# Altium PCB LimeSDR-QPCIe_1v2.PcbDoc (part 10 of 21)
Units mm, origin at the board's own origin, x right, y up, seen from the top; angles counter-clockwise.
Board outline 190 x 111.15 mm, 14 copper layers (Top, L2, L3, L4, L5, L6, L7, L8, L9, L10, L11, L12, L13, Bottom), stack 1.907 mm thick; 2014 components, 1408 nets, 9111 pads, 4171 vias.
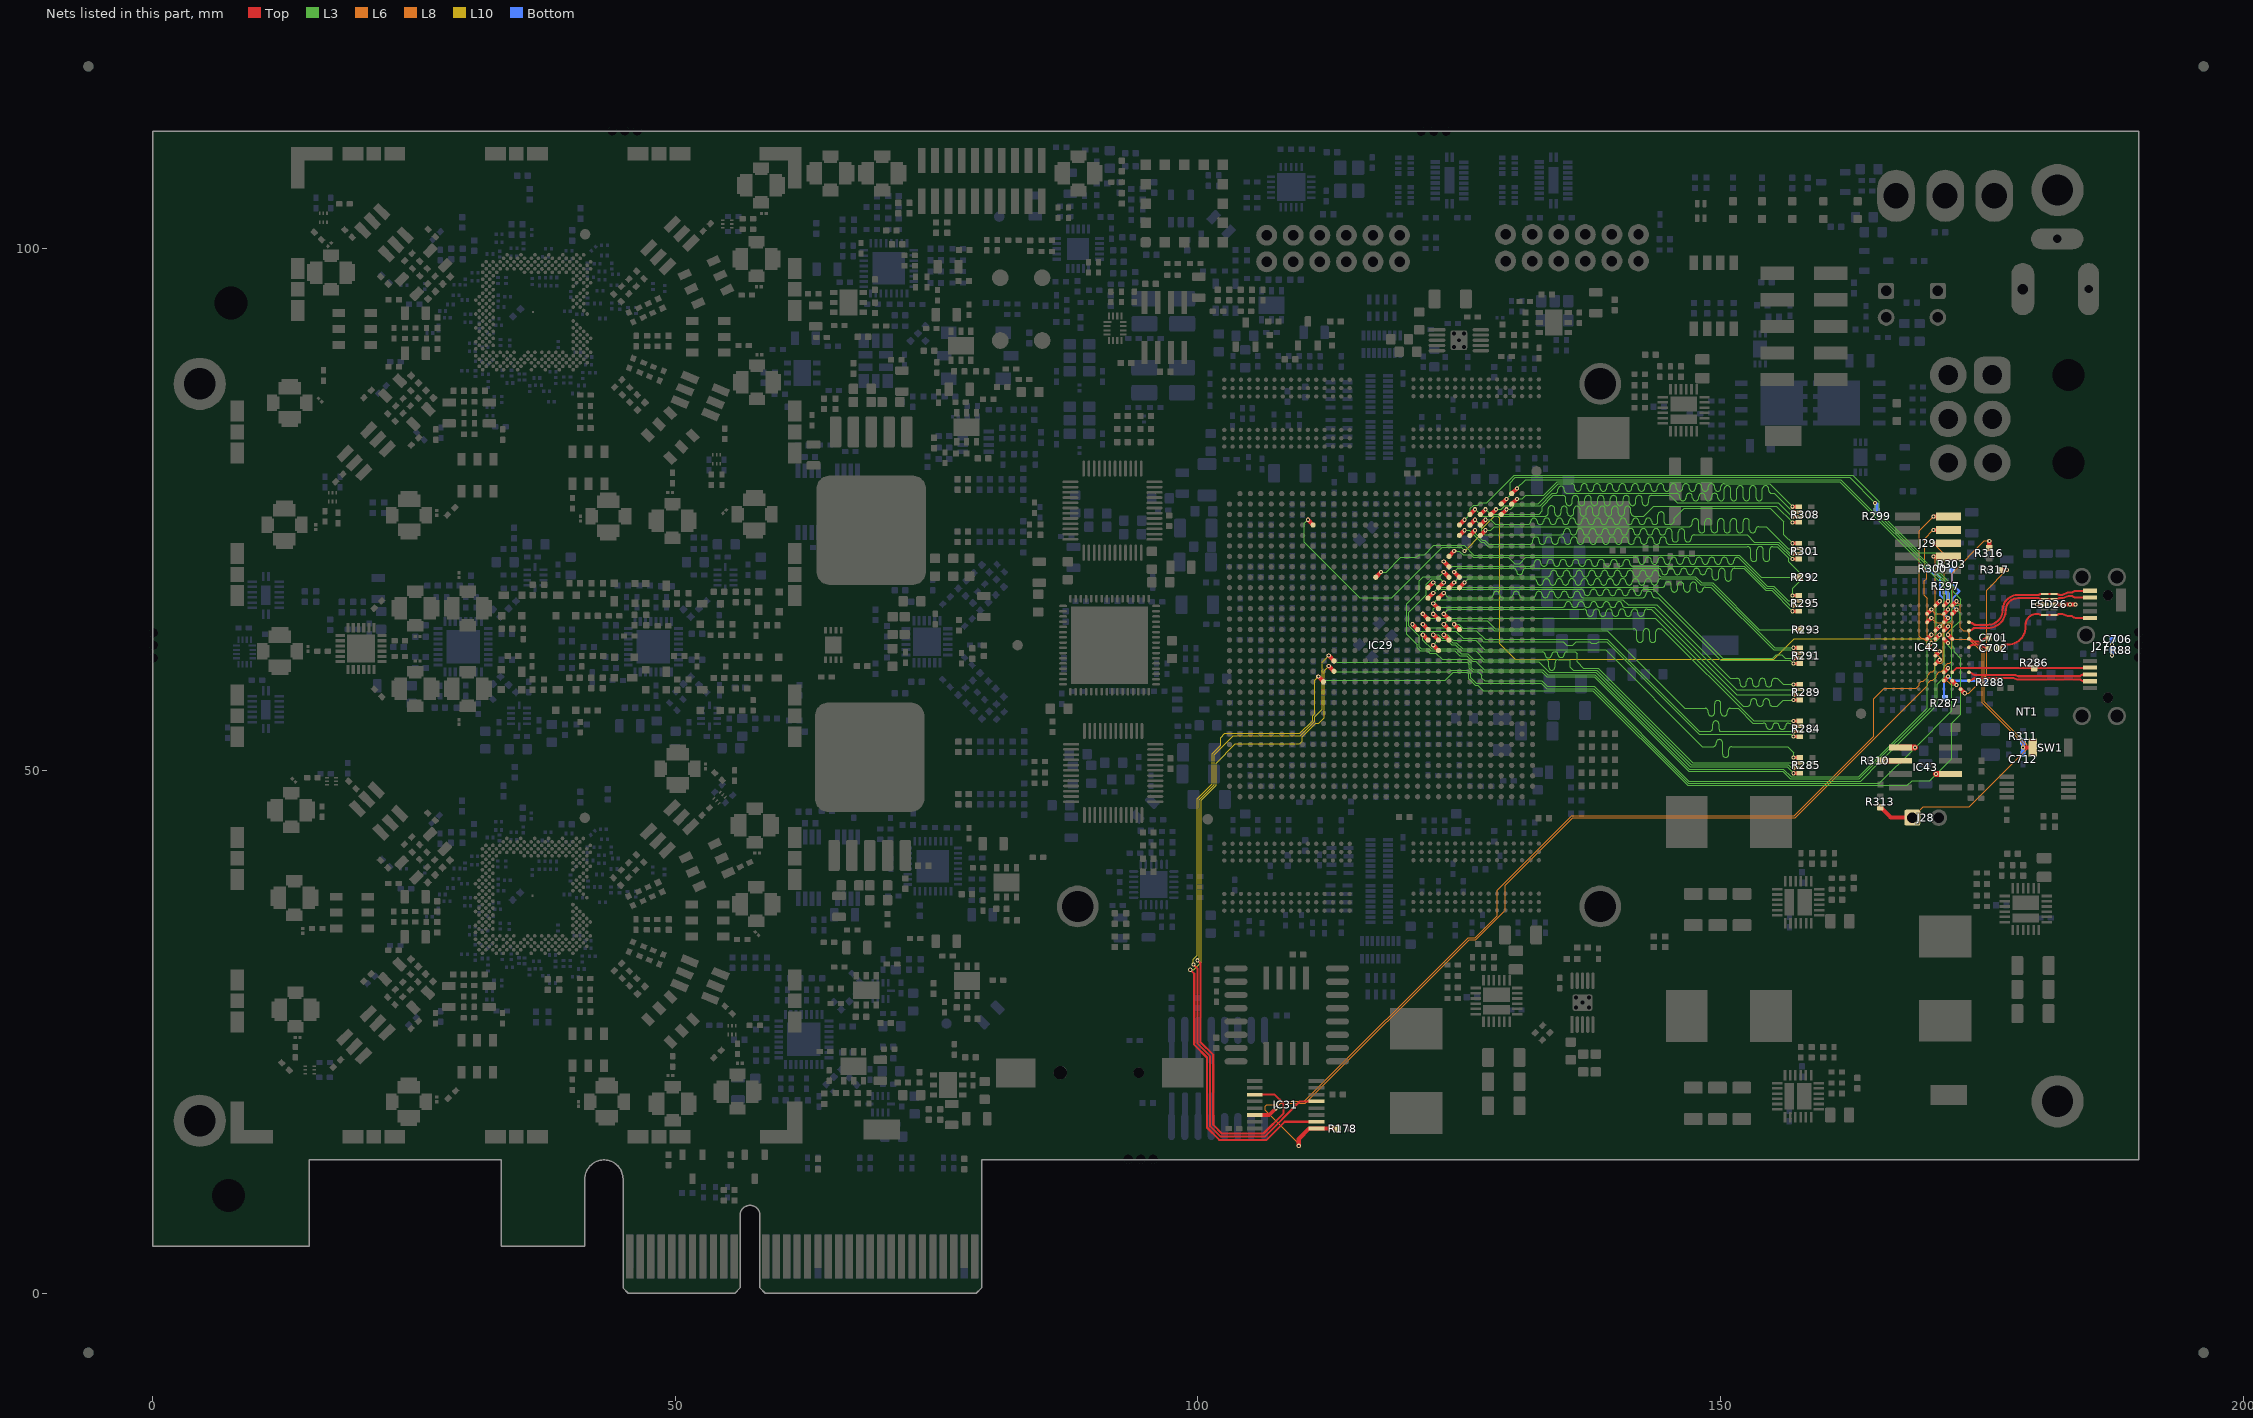
[diagram p22: the nets of this part, all layers, seen from the top]

## Via types
v1: diameter 0.4, hole 0.2, Top to Bottom, tented both sides, 3282 vias
v2: diameter 0.4, hole 0.2, Top to Bottom, tented top, 531 vias
v3: diameter 0.35, hole 0.2, Top to Bottom, tented top, 210 vias
v4: diameter 0.5, hole 0.2, Top to Bottom, tented both sides, 99 vias
v5: diameter 0.5, hole 0.2, Top to Bottom, tented bottom, 49 vias

## Nets (pads, with @x,y where several pads share a name; then routed paths per layer and width w, separated by ;. In a path a pad name is that pad's centre, name@x,y a point inside that pad or via, vN(x,y) a via of type N, cw(c..) or ccw(c..) an arc to the next point about the centre after c; other vN are vias at no path point) (continued)
FX3_AS_SW: IC31.1 IC42.F3 R178.1 | length 102.5
  Top w0.4: v1(109.65,14.1) 109.65,14.75 110.65,15.75 IC31.1@111.35,15.75 ; IC31.1@112.025,15.75 IC31.1@111.35,15.75 ; R178.1@113.375,15.75 IC31.1@111.35,15.75 ; IC42.F3@169.775,64.2 v2(170.175,64.6)
  L8 w0.1: v1(109.65,14.1) 109.65,14.28 106.425,17.505 106.425,17.875 106.6,18.05 107.542,18.05 107.842,18.35 110.192,18.35 125.867,34.025 126.525,34.025 128.625,36.125 128.625,38.53 135.77,45.675 157.062,45.675 164.65,53.263 164.65,56.875 165.65,57.875 168.745,57.875 169.025,58.155 169.025,58.345 169.23,58.55 169.42,58.55 169.825,58.955 169.825,59.145 170.13,59.45 170.32,59.45 170.525,59.655 170.525,59.975 170.8,60.25 171.12,60.25 171.325,60.455 171.325,63.945 171.12,64.15 170.625,64.15 v2(170.175,64.6)
FX3_CTL0: IC29.AA9 R293.2 | length 42.4
  Top w0.3: v1(157.1,63.5) R293.2@157.7,63.5
  Top w0.4: IC29.AA9@124.025,67.5 v2(124.525,68)
  L3 w0.1: v2(124.525,68) 125.075,68.55 132.725,68.55 133.144,68.55 133.456,68.55 ccw(c133.456,68.846) 133.752,68.846 cw(c134.056,68.846) 134.056,69.15 cw(c134.056,68.846) 134.36,68.846 ccw(c134.656,68.846) 134.656,68.55 134.672,68.55 ccw(c134.672,68.846) 134.968,68.846 cw(c135.272,68.846) 135.272,69.15 cw(c135.272,68.846) 135.576,68.846 ccw(c135.872,68.846) 135.872,68.55 135.888,68.55 ccw(c135.888,68.846) 136.184,68.846 cw(c136.488,68.846) 136.488,69.15 cw(c136.488,68.846) 136.792,68.846 ccw(c137.088,68.846) 137.088,68.55 137.104,68.55 ccw(c137.104,68.846) 137.4,68.846 cw(c137.704,68.846) 137.704,69.15 cw(c137.704,68.846) 138.008,68.846 ccw(c138.304,68.846) 138.304,68.55 138.32,68.55 ccw(c138.32,68.846) 138.616,68.846 cw(c138.92,68.846) 138.92,69.15 cw(c138.92,68.846) 139.224,68.846 ccw(c139.52,68.846) 139.52,68.55 139.536,68.55 ccw(c139.536,68.846) 139.832,68.846 cw(c140.136,68.846) 140.136,69.15 cw(c140.136,68.846) 140.44,68.846 ccw(c140.736,68.846) 140.736,68.55 140.752,68.55 ccw(c140.752,68.846) 141.048,68.846 cw(c141.352,68.846) 141.352,69.15 cw(c141.352,68.846) 141.656,68.846 ccw(c141.952,68.846) 141.952,68.55 141.968,68.55 ccw(c141.968,68.846) 142.264,68.846 cw(c142.568,68.846) 142.568,69.15 cw(c142.568,68.846) 142.872,68.846 ccw(c143.168,68.846) 143.168,68.55 143.184,68.55 ccw(c143.184,68.846) 143.48,68.846 cw(c143.784,68.846) 143.784,69.15 cw(c143.784,68.846) 144.088,68.846 ccw(c144.384,68.846) 144.384,68.55 144.696,68.55 145,68.55 147.608,68.55 148.191,67.966 149.241,67.966 153.708,63.5 v1(157.1,63.5)
FX3_CTL1: IC29.AB8 R295.2 | length 42.6
  Top w0.3: v1(156.9,65.25) R295.2@157.5,65.25
  Top w0.4: v2(124.525,69) IC29.AB8@125.025,68.5
  L3 w0.1: v2(124.525,69) 124.875,69.35 129.575,69.35 129.879,69.35 130.191,69.35 cw(c130.191,69.054) 130.487,69.054 ccw(c130.791,69.054) 130.791,68.75 ccw(c130.791,69.054) 131.095,69.054 cw(c131.391,69.054) 131.391,69.35 131.703,69.35 132.125,69.35 143.45,69.35 143.754,69.35 144.066,69.35 cw(c144.066,69.054) 144.362,69.054 ccw(c144.666,69.054) 144.666,68.75 ccw(c144.666,69.054) 144.97,69.054 cw(c145.266,69.054) 145.266,69.35 145.282,69.35 cw(c145.282,69.054) 145.578,69.054 ccw(c145.882,69.054) 145.882,68.75 ccw(c145.882,69.054) 146.186,69.054 cw(c146.482,69.054) 146.482,69.35 146.498,69.35 cw(c146.498,69.054) 146.794,69.054 ccw(c147.098,69.054) 147.098,68.75 ccw(c147.098,69.054) 147.402,69.054 cw(c147.698,69.054) 147.698,69.35 147.714,69.35 cw(c147.714,69.054) 148.01,69.054 ccw(c148.314,69.054) 148.314,68.75 ccw(c148.314,69.054) 148.618,69.054 cw(c148.914,69.054) 148.914,69.35 148.922,69.35 cw(c148.922,69.046) 149.226,69.046 149.226,68.538 ccw(c149.53,68.538) 149.53,68.234 ccw(c149.53,68.538) 149.834,68.538 149.834,69.046 cw(c150.138,69.046) 150.138,69.35 cw(c150.138,69.046) 150.442,69.046 150.442,68.44 ccw(c150.746,68.44) 150.746,68.136 ccw(c150.746,68.44) 151.05,68.44 151.05,69.046 cw(c151.354,69.046) 151.354,69.35 151.792,69.35 152.209,69.35 154.322,67.238 154.905,67.238 156.892,65.25 v1(156.9,65.25)
FX3_CTL2: IC29.AC9 R295.4 | length 42.6
  Top w0.3: v1(156.9,65.75) R295.4@157.5,65.75
  Top w0.4: v2(123.525,70) IC29.AC9@124.025,69.5
  L3 w0.1: v2(123.525,70) 123.975,69.55 131.9,69.55 ccw(c131.9,69.854) 132.204,69.854 132.204,69.89 cw(c132.508,69.89) 132.508,70.194 cw(c132.508,69.89) 132.812,69.89 132.812,69.854 ccw(c133.116,69.854) 133.116,69.55 ccw(c133.116,69.854) 133.42,69.854 133.42,69.89 cw(c133.724,69.89) 133.724,70.194 cw(c133.724,69.89) 134.028,69.89 134.028,69.854 ccw(c134.332,69.854) 134.332,69.55 ccw(c134.332,69.854) 134.636,69.854 134.636,69.89 cw(c134.94,69.89) 134.94,70.194 cw(c134.94,69.89) 135.244,69.89 135.244,69.854 ccw(c135.548,69.854) 135.548,69.55 ccw(c135.548,69.854) 135.852,69.854 135.852,69.89 cw(c136.156,69.89) 136.156,70.194 cw(c136.156,69.89) 136.46,69.89 136.46,69.854 ccw(c136.764,69.854) 136.764,69.55 ccw(c136.764,69.854) 137.068,69.854 137.068,69.89 cw(c137.372,69.89) 137.372,70.194 cw(c137.372,69.89) 137.676,69.89 137.676,69.854 ccw(c137.98,69.854) 137.98,69.55 ccw(c137.98,69.854) 138.284,69.854 138.284,69.89 cw(c138.588,69.89) 138.588,70.194 cw(c138.588,69.89) 138.892,69.89 138.892,69.854 ccw(c139.196,69.854) 139.196,69.55 ccw(c139.196,69.854) 139.5,69.854 139.5,69.89 cw(c139.804,69.89) 139.804,70.194 cw(c139.804,69.89) 140.108,69.89 140.108,69.854 ccw(c140.412,69.854) 140.412,69.55 ccw(c140.412,69.854) 140.716,69.854 140.716,69.89 cw(c141.02,69.89) 141.02,70.194 cw(c141.02,69.89) 141.324,69.89 141.324,69.854 ccw(c141.628,69.854) 141.628,69.55 142.675,69.55 152.292,69.55 154.405,67.438 154.987,67.438 156.675,65.75 v1(156.9,65.75)
FX3_CTL3: IC29.AD9 R295.6 | length 42.4
  Top w0.3: v1(156.9,66.25) R295.6@157.5,66.25
  Top w0.4: IC29.AD9@124.025,70.5 v2(124.525,71)
  L3 w0.1: v2(124.525,71) 125.03,71 125.38,70.65 126.097,70.65 126.347,70.4 129.7,70.4 130.3,69.8 130.775,69.8 131.375,70.4 140.975,70.4 141.872,70.4 cw(c141.872,70.096) 142.176,70.096 142.176,70.054 ccw(c142.48,70.054) 142.48,69.75 ccw(c142.48,70.054) 142.784,70.054 142.784,70.096 cw(c143.088,70.096) 143.088,70.4 cw(c143.088,70.096) 143.392,70.096 143.392,70.054 ccw(c143.696,70.054) 143.696,69.75 ccw(c143.696,70.054) 144,70.054 144,70.096 cw(c144.304,70.096) 144.304,70.4 cw(c144.304,70.096) 144.608,70.096 144.608,70.054 ccw(c144.912,70.054) 144.912,69.75 ccw(c144.912,70.054) 145.216,70.054 145.216,70.096 cw(c145.52,70.096) 145.52,70.4 cw(c145.52,70.096) 145.824,70.096 145.824,70.054 ccw(c146.128,70.054) 146.128,69.75 ccw(c146.128,70.054) 146.432,70.054 146.432,70.096 cw(c146.736,70.096) 146.736,70.4 cw(c146.736,70.096) 147.04,70.096 147.04,70.054 ccw(c147.344,70.054) 147.344,69.75 ccw(c147.344,70.054) 147.648,70.054 147.648,70.096 cw(c147.952,70.096) 147.952,70.4 cw(c147.952,70.096) 148.256,70.096 148.256,70.054 ccw(c148.56,70.054) 148.56,69.75 ccw(c148.56,70.054) 148.864,70.054 148.864,70.096 cw(c149.168,70.096) 149.168,70.4 cw(c149.168,70.096) 149.472,70.096 149.472,70.054 ccw(c149.776,70.054) 149.776,69.75 ccw(c149.776,70.054) 150.08,70.054 150.08,70.096 cw(c150.384,70.096) 150.384,70.4 cw(c150.384,70.096) 150.688,70.096 150.688,70.054 ccw(c150.992,70.054) 150.992,69.75 ccw(c150.992,70.054) 151.296,70.054 151.296,70.096 cw(c151.6,70.096) 151.6,70.4 151.725,70.4 154.487,67.638 155.087,67.638 156.475,66.25 v1(156.9,66.25)
FX3_CTL4: IC29.AF8 R295.8 | length 42.5
  Top w0.3: v1(156.9,66.75) R295.8@157.5,66.75
  Top w0.4: IC29.AF8@125.025,72.5 v2(125.525,73)
  L3 w0.1: v2(125.525,73) 125.975,73 127.119,71.856 127.361,71.856 127.784,71.434 151.975,71.434 152.279,71.434 152.583,71.434 cw(c152.583,71.13) 152.887,71.13 152.887,70.312 ccw(c153.191,70.312) 153.191,70.008 ccw(c153.191,70.312) 153.495,70.312 153.495,71.13 cw(c153.799,71.13) 153.799,71.434 cw(c153.799,71.13) 154.103,71.13 154.103,70.312 ccw(c154.407,70.312) 154.407,70.008 ccw(c154.407,70.312) 154.711,70.312 154.711,71.13 cw(c155.015,71.13) 155.015,71.434 155.434,71.434 156.05,70.817 156.53,70.338 156.53,70 157.725,68.805 157.725,68.25 156.9,67.425 v1(156.9,66.75)
FX3_CTL5: IC29.AF7 R301.2 | length 42.6
  Top w0.3: v1(156.9,70.25) R301.2@157.5,70.25
  Top w0.4: IC29.AF7@126.025,72.5 v2(126.525,73)
  L3 w0.1: v2(126.525,73) 126.525,72.733 127.202,72.056 127.444,72.056 127.85,71.65 131.175,71.65 131.437,71.65 131.741,71.65 ccw(c131.741,71.954) 132.045,71.954 132.045,72.046 cw(c132.349,72.046) 132.349,72.35 cw(c132.349,72.046) 132.653,72.046 132.653,71.954 ccw(c132.957,71.954) 132.957,71.65 ccw(c132.957,71.954) 133.261,71.954 133.261,72.046 cw(c133.565,72.046) 133.565,72.35 cw(c133.565,72.046) 133.869,72.046 133.869,71.954 ccw(c134.173,71.954) 134.173,71.65 ccw(c134.173,71.954) 134.477,71.954 134.477,72.046 cw(c134.781,72.046) 134.781,72.35 cw(c134.781,72.046) 135.085,72.046 135.085,71.954 ccw(c135.389,71.954) 135.389,71.65 ccw(c135.389,71.954) 135.693,71.954 135.693,72.046 cw(c135.997,72.046) 135.997,72.35 cw(c135.997,72.046) 136.301,72.046 136.301,71.954 ccw(c136.605,71.954) 136.605,71.65 ccw(c136.605,71.954) 136.909,71.954 136.909,72.046 cw(c137.213,72.046) 137.213,72.35 cw(c137.213,72.046) 137.517,72.046 137.517,71.954 ccw(c137.821,71.954) 137.821,71.65 ccw(c137.821,71.954) 138.125,71.954 138.125,72.046 cw(c138.429,72.046) 138.429,72.35 cw(c138.429,72.046) 138.733,72.046 138.733,71.954 ccw(c139.037,71.954) 139.037,71.65 ccw(c139.037,71.954) 139.341,71.954 139.341,72.046 cw(c139.645,72.046) 139.645,72.35 cw(c139.645,72.046) 139.949,72.046 139.949,71.954 ccw(c140.253,71.954) 140.253,71.65 ccw(c140.253,71.954) 140.557,71.954 140.557,72.046 cw(c140.861,72.046) 140.861,72.35 cw(c140.861,72.046) 141.165,72.046 141.165,71.954 ccw(c141.469,71.954) 141.469,71.65 ccw(c141.469,71.954) 141.773,71.954 141.773,72.046 cw(c142.077,72.046) 142.077,72.35 cw(c142.077,72.046) 142.381,72.046 142.381,71.954 ccw(c142.685,71.954) 142.685,71.65 ccw(c142.685,71.954) 142.989,71.954 142.989,72.046 cw(c143.293,72.046) 143.293,72.35 cw(c143.293,72.046) 143.597,72.046 143.597,71.954 ccw(c143.901,71.954) 143.901,71.65 ccw(c143.901,71.954) 144.205,71.954 144.205,72.046 cw(c144.509,72.046) 144.509,72.35 cw(c144.509,72.046) 144.813,72.046 144.813,71.954 ccw(c145.117,71.954) 145.117,71.65 145.421,71.65 145.725,71.65 155.5,71.65 v1(156.9,70.25)
FX3_CTL6: IC29.AG7 R301.4 | length 42.6
  Top w0.3: v1(156.9,70.75) R301.4@157.5,70.75
  Top w0.4: IC29.AG7@126.025,73.5 v2(126.525,74)
  L3 w0.1: v2(126.525,74) 127.175,73.35 127.175,72.845 127.47,72.55 134.725,72.55 134.733,72.55 ccw(c134.733,72.846) 135.029,72.846 cw(c135.333,72.846) 135.333,73.15 cw(c135.333,72.846) 135.637,72.846 ccw(c135.933,72.846) 135.933,72.55 135.949,72.55 ccw(c135.949,72.846) 136.245,72.846 cw(c136.549,72.846) 136.549,73.15 cw(c136.549,72.846) 136.853,72.846 ccw(c137.149,72.846) 137.149,72.55 137.165,72.55 ccw(c137.165,72.846) 137.461,72.846 cw(c137.765,72.846) 137.765,73.15 cw(c137.765,72.846) 138.069,72.846 ccw(c138.365,72.846) 138.365,72.55 138.381,72.55 ccw(c138.381,72.846) 138.677,72.846 cw(c138.981,72.846) 138.981,73.15 cw(c138.981,72.846) 139.285,72.846 ccw(c139.581,72.846) 139.581,72.55 139.597,72.55 ccw(c139.597,72.846) 139.893,72.846 cw(c140.197,72.846) 140.197,73.15 cw(c140.197,72.846) 140.501,72.846 ccw(c140.797,72.846) 140.797,72.55 140.813,72.55 ccw(c140.813,72.846) 141.109,72.846 cw(c141.413,72.846) 141.413,73.15 cw(c141.413,72.846) 141.717,72.846 ccw(c142.013,72.846) 142.013,72.55 142.029,72.55 ccw(c142.029,72.846) 142.325,72.846 cw(c142.629,72.846) 142.629,73.15 cw(c142.629,72.846) 142.933,72.846 ccw(c143.229,72.846) 143.229,72.55 143.245,72.55 ccw(c143.245,72.846) 143.541,72.846 cw(c143.845,72.846) 143.845,73.15 cw(c143.845,72.846) 144.149,72.846 ccw(c144.445,72.846) 144.445,72.55 144.461,72.55 ccw(c144.461,72.846) 144.757,72.846 cw(c145.061,72.846) 145.061,73.15 cw(c145.061,72.846) 145.365,72.846 145.365,72.55 145.365,72.177 ccw(c145.669,72.177) 145.669,71.873 ccw(c145.669,72.177) 145.973,72.177 145.973,72.55 145.973,72.823 cw(c146.277,72.823) 146.277,73.127 cw(c146.277,72.823) 146.581,72.823 146.581,72.55 146.581,72.177 ccw(c146.885,72.177) 146.885,71.873 ccw(c146.885,72.177) 147.189,72.177 147.189,72.246 cw(c147.493,72.246) 147.493,72.55 148.6,72.55 152.55,72.55 153.25,71.85 155.583,71.85 156.683,70.75 v1(156.9,70.75)
FX3_CTL7: IC29.AF6 R301.6 | length 42.5
  Top w0.3: v1(156.9,71.25) R301.6@157.5,71.25
  Top w0.4: IC29.AF6@127.025,72.5 v2(127.525,73)
  L3 w0.1: v2(127.525,73) 128,73 128.35,73.35 147,73.35 ccw(c147,73.654) 147.304,73.654 147.304,73.808 cw(c147.608,73.808) 147.608,74.112 cw(c147.608,73.808) 147.912,73.808 147.912,73.35 147.912,73.054 ccw(c148.216,73.054) 148.216,72.75 ccw(c148.216,73.054) 148.52,73.054 148.52,73.35 148.52,73.808 cw(c148.824,73.808) 148.824,74.112 cw(c148.824,73.808) 149.128,73.808 149.128,73.35 149.128,73.054 ccw(c149.432,73.054) 149.432,72.75 ccw(c149.432,73.054) 149.736,73.054 149.736,73.35 149.736,73.808 cw(c150.04,73.808) 150.04,74.112 cw(c150.04,73.808) 150.344,73.808 150.344,73.35 150.344,73.054 ccw(c150.648,73.054) 150.648,72.75 ccw(c150.648,73.054) 150.952,73.054 150.952,73.35 150.952,73.808 cw(c151.256,73.808) 151.256,74.112 cw(c151.256,73.808) 151.56,73.808 151.56,73.35 151.56,73.054 ccw(c151.864,73.054) 151.864,72.75 ccw(c151.864,73.054) 152.168,73.054 152.168,73.35 152.168,73.808 cw(c152.472,73.808) 152.472,74.112 cw(c152.472,73.808) 152.776,73.808 152.776,73.35 152.776,73.054 ccw(c153.08,73.054) 153.08,72.75 ccw(c153.08,73.054) 153.384,73.054 cw(c153.68,73.054) 153.68,73.35 154.25,73.35 154.366,73.35 156.466,71.25 v1(156.9,71.25)
FX3_CTL8: IC29.AG6 R301.8 | length 42.6
  Top w0.3: v1(156.9,71.75) R301.8@157.5,71.75
  Top w0.4: IC29.AG6@127.025,73.5 v2(127.525,74)
  L3 w0.1: v2(127.525,74) 128,74 128.45,73.55 131.55,73.55 131.568,73.55 ccw(c131.568,73.836) 131.854,73.836 cw(c132.158,73.836) 132.158,74.14 cw(c132.158,73.836) 132.462,73.836 ccw(c132.748,73.836) 132.748,73.55 132.766,73.55 ccw(c132.766,73.854) 133.07,73.854 cw(c133.374,73.854) 133.374,74.158 cw(c133.374,73.854) 133.678,73.854 ccw(c133.982,73.854) 133.982,73.55 ccw(c133.982,73.854) 134.286,73.854 cw(c134.59,73.854) 134.59,74.158 cw(c134.59,73.854) 134.894,73.854 ccw(c135.198,73.854) 135.198,73.55 ccw(c135.198,73.854) 135.502,73.854 cw(c135.806,73.854) 135.806,74.158 cw(c135.806,73.854) 136.11,73.854 ccw(c136.414,73.854) 136.414,73.55 ccw(c136.414,73.854) 136.718,73.854 cw(c137.022,73.854) 137.022,74.158 cw(c137.022,73.854) 137.326,73.854 ccw(c137.63,73.854) 137.63,73.55 ccw(c137.63,73.854) 137.934,73.854 cw(c138.238,73.854) 138.238,74.158 cw(c138.238,73.854) 138.542,73.854 ccw(c138.846,73.854) 138.846,73.55 ccw(c138.846,73.854) 139.15,73.854 cw(c139.454,73.854) 139.454,74.158 cw(c139.454,73.854) 139.758,73.854 ccw(c140.062,73.854) 140.062,73.55 ccw(c140.062,73.854) 140.366,73.854 cw(c140.67,73.854) 140.67,74.158 cw(c140.67,73.854) 140.974,73.854 ccw(c141.278,73.854) 141.278,73.55 141.286,73.55 ccw(c141.286,73.846) 141.582,73.846 cw(c141.886,73.846) 141.886,74.15 cw(c141.886,73.846) 142.19,73.846 ccw(c142.486,73.846) 142.486,73.55 142.494,73.55 ccw(c142.494,73.854) 142.798,73.854 cw(c143.102,73.854) 143.102,74.158 cw(c143.102,73.854) 143.406,73.854 ccw(c143.71,73.854) 143.71,73.55 ccw(c143.71,73.854) 144.014,73.854 144.014,74.445 cw(c144.318,74.445) 144.318,74.749 cw(c144.318,74.445) 144.622,74.445 144.622,73.778 ccw(c144.85,73.778) 144.85,73.55 145.35,73.55 145.6,73.8 145.6,74.15 146.55,75.1 154.77,75.1 156.075,73.795 156.075,72.575 v1(156.9,71.75)
FX3_CTL9: IC29.AH7 R308.2 | length 42.6
  Top w0.3: v1(156.9,73.75) R308.2@157.5,73.75
  Top w0.4: IC29.AH7@126.025,74.5 v2(126.525,75)
  L3 w0.1: v2(126.525,75) 127.175,74.35 133.225,74.35 ccw(c133.225,74.654) 133.529,74.654 133.529,75.04 cw(c133.833,75.04) 133.833,75.344 cw(c133.833,75.04) 134.137,75.04 134.137,74.654 ccw(c134.441,74.654) 134.441,74.35 ccw(c134.441,74.654) 134.745,74.654 134.745,74.983 cw(c135.049,74.983) 135.049,75.287 cw(c135.049,74.983) 135.353,74.983 135.353,74.654 ccw(c135.657,74.654) 135.657,74.35 ccw(c135.657,74.654) 135.961,74.654 135.961,74.983 cw(c136.265,74.983) 136.265,75.287 cw(c136.265,74.983) 136.569,74.983 136.569,74.654 ccw(c136.873,74.654) 136.873,74.35 ccw(c136.873,74.654) 137.177,74.654 137.177,74.983 cw(c137.481,74.983) 137.481,75.287 cw(c137.481,74.983) 137.785,74.983 137.785,74.654 ccw(c138.089,74.654) 138.089,74.35 ccw(c138.089,74.654) 138.393,74.654 138.393,74.983 cw(c138.697,74.983) 138.697,75.287 cw(c138.697,74.983) 139.001,74.983 139.001,74.654 ccw(c139.305,74.654) 139.305,74.35 ccw(c139.305,74.654) 139.609,74.654 139.609,74.983 cw(c139.913,74.983) 139.913,75.287 cw(c139.913,74.983) 140.217,74.983 140.217,74.654 ccw(c140.521,74.654) 140.521,74.35 ccw(c140.521,74.654) 140.825,74.654 140.825,74.983 cw(c141.129,74.983) 141.129,75.287 cw(c141.129,74.983) 141.433,74.983 141.433,74.654 ccw(c141.737,74.654) 141.737,74.35 142.675,74.35 143.625,75.3 155.35,75.3 v1(156.9,73.75)
FX3_CTL10: IC29.AH6 R308.4 | length 42.6
  Top w0.3: v1(156.9,74.25) R308.4@157.5,74.25
  Top w0.4: IC29.AH6@127.025,74.5 v2(127.525,75)
  L3 w0.1: v2(127.525,75) 127.975,74.55 132.65,74.55 132.95,74.85 132.95,75.267 134.008,76.325 134.3,76.325 134.604,76.325 134.908,76.325 cw(c134.908,76.021) 135.212,76.021 135.212,75.664 ccw(c135.516,75.664) 135.516,75.36 ccw(c135.516,75.664) 135.82,75.664 135.82,76.021 cw(c136.124,76.021) 136.124,76.325 cw(c136.124,76.021) 136.428,76.021 136.428,75.664 ccw(c136.732,75.664) 136.732,75.36 ccw(c136.732,75.664) 137.036,75.664 137.036,76.021 cw(c137.34,76.021) 137.34,76.325 cw(c137.34,76.021) 137.644,76.021 137.644,75.664 ccw(c137.948,75.664) 137.948,75.36 ccw(c137.948,75.664) 138.252,75.664 138.252,76.021 cw(c138.556,76.021) 138.556,76.325 cw(c138.556,76.021) 138.86,76.021 138.86,75.664 ccw(c139.164,75.664) 139.164,75.36 ccw(c139.164,75.664) 139.468,75.664 139.468,76.021 cw(c139.772,76.021) 139.772,76.325 cw(c139.772,76.021) 140.076,76.021 140.076,75.664 ccw(c140.38,75.664) 140.38,75.36 ccw(c140.38,75.664) 140.684,75.664 140.684,76.021 cw(c140.988,76.021) 140.988,76.325 cw(c140.988,76.021) 141.292,76.021 141.292,75.664 ccw(c141.596,75.664) 141.596,75.36 ccw(c141.596,75.664) 141.9,75.664 141.9,76.021 cw(c142.204,76.021) 142.204,76.325 cw(c142.204,76.021) 142.508,76.021 142.508,75.664 ccw(c142.812,75.664) 142.812,75.36 ccw(c142.812,75.664) 143.116,75.664 143.116,76.021 cw(c143.42,76.021) 143.42,76.325 145.15,76.325 145.85,75.625 155.525,75.625 v1(156.9,74.25)
FX3_CTL11: IC29.AH4 R308.6 | length 42.6
  Top w0.3: v1(156.9,74.75) R308.6@157.5,74.75
  Top w0.4: IC29.AH4@129.025,74.5 v2(129.525,75)
  L3 w0.1: v2(129.525,75) 129.925,75 130.275,75.35 132.75,75.35 133.925,76.525 134.15,76.525 ccw(c134.15,76.829) 134.454,76.829 134.454,76.897 cw(c134.758,76.897) 134.758,77.201 cw(c134.758,76.897) 135.062,76.897 135.062,76.829 ccw(c135.366,76.829) 135.366,76.525 135.75,76.525 144.925,76.525 145.501,76.525 145.805,76.525 cw(c145.805,76.221) 146.109,76.221 146.109,76.129 ccw(c146.413,76.129) 146.413,75.825 ccw(c146.413,76.129) 146.717,76.129 146.717,76.221 cw(c147.021,76.221) 147.021,76.525 cw(c147.021,76.221) 147.325,76.221 147.325,76.129 ccw(c147.629,76.129) 147.629,75.825 ccw(c147.629,76.129) 147.933,76.129 147.933,76.221 cw(c148.237,76.221) 148.237,76.525 cw(c148.237,76.221) 148.541,76.221 148.541,76.129 ccw(c148.845,76.129) 148.845,75.825 ccw(c148.845,76.129) 149.149,76.129 149.149,76.221 cw(c149.453,76.221) 149.453,76.525 cw(c149.453,76.221) 149.757,76.221 149.757,76.129 ccw(c150.061,76.129) 150.061,75.825 ccw(c150.061,76.129) 150.365,76.129 150.365,76.525 150.365,76.946 cw(c150.669,76.946) 150.669,77.25 cw(c150.669,76.946) 150.973,76.946 150.973,76.525 150.973,76.129 ccw(c151.277,76.129) 151.277,75.825 ccw(c151.277,76.129) 151.581,76.129 151.581,76.525 151.581,76.946 cw(c151.885,76.946) 151.885,77.25 cw(c151.885,76.946) 152.189,76.946 152.189,76.525 152.189,76.129 ccw(c152.493,76.129) 152.493,75.825 ccw(c152.493,76.129) 152.797,76.129 152.797,76.525 152.797,76.946 cw(c153.101,76.946) 153.101,77.25 cw(c153.101,76.946) 153.405,76.946 153.405,76.525 153.405,76.129 ccw(c153.709,76.129) 153.709,75.825 ccw(c153.709,76.129) 154.013,76.129 154.013,76.525 154.013,76.946 cw(c154.317,76.946) 154.317,77.25 cw(c154.317,76.946) 154.621,76.946 154.621,76.829 ccw(c154.925,76.829) 154.925,76.525 155.125,76.525 v1(156.9,74.75)
FX3_CTL12: IC29.AH5 R308.8 | length 42.6
  Top w0.3: v1(156.9,75.25) R308.8@157.5,75.25
  Top w0.4: IC29.AH5@128.025,74.5 v2(128.525,75)
  L3 w0.1: v2(128.525,75) 129.03,75 129.38,75.35 129.9,75.35 130.1,75.55 132.57,75.55 134.47,77.45 135.15,77.45 135.454,77.45 135.758,77.45 cw(c135.758,77.146) 136.062,77.146 136.062,77.036 ccw(c136.366,77.036) 136.366,76.732 ccw(c136.366,77.036) 136.67,77.036 136.67,77.146 cw(c136.974,77.146) 136.974,77.45 cw(c136.974,77.146) 137.278,77.146 137.278,77.036 ccw(c137.582,77.036) 137.582,76.732 ccw(c137.582,77.036) 137.886,77.036 137.886,77.146 cw(c138.19,77.146) 138.19,77.45 cw(c138.19,77.146) 138.494,77.146 138.494,77.036 ccw(c138.798,77.036) 138.798,76.732 ccw(c138.798,77.036) 139.102,77.036 139.102,77.146 cw(c139.406,77.146) 139.406,77.45 cw(c139.406,77.146) 139.71,77.146 139.71,77.036 ccw(c140.014,77.036) 140.014,76.732 ccw(c140.014,77.036) 140.318,77.036 140.318,77.146 cw(c140.622,77.146) 140.622,77.45 cw(c140.622,77.146) 140.926,77.146 140.926,77.036 ccw(c141.23,77.036) 141.23,76.732 ccw(c141.23,77.036) 141.534,77.036 141.534,77.146 cw(c141.838,77.146) 141.838,77.45 cw(c141.838,77.146) 142.142,77.146 142.142,77.036 ccw(c142.446,77.036) 142.446,76.732 ccw(c142.446,77.036) 142.75,77.036 142.75,77.146 cw(c143.054,77.146) 143.054,77.45 cw(c143.054,77.146) 143.358,77.146 143.358,77.036 ccw(c143.662,77.036) 143.662,76.732 ccw(c143.662,77.036) 143.966,77.036 143.966,77.146 cw(c144.27,77.146) 144.27,77.45 cw(c144.27,77.146) 144.574,77.146 144.574,77.036 ccw(c144.878,77.036) 144.878,76.732 ccw(c144.878,77.036) 145.182,77.036 145.182,77.146 cw(c145.486,77.146) 145.486,77.45 cw(c145.486,77.146) 145.79,77.146 145.79,77.036 ccw(c146.094,77.036) 146.094,76.732 ccw(c146.094,77.036) 146.398,77.036 146.398,77.146 cw(c146.702,77.146) 146.702,77.45 cw(c146.702,77.146) 147.006,77.146 147.006,77.036 ccw(c147.31,77.036) 147.31,76.732 ccw(c147.31,77.036) 147.614,77.036 147.614,77.146 cw(c147.918,77.146) 147.918,77.45 cw(c147.918,77.146) 148.222,77.146 148.222,77.036 ccw(c148.526,77.036) 148.526,76.732 ccw(c148.526,77.036) 148.83,77.036 148.83,77.146 cw(c149.134,77.146) 149.134,77.45 cw(c149.134,77.146) 149.438,77.146 149.438,77.036 ccw(c149.742,77.036) 149.742,76.732 ccw(c149.742,77.036) 150.046,77.036 150.046,77.146 cw(c150.35,77.146) 150.35,77.45 151.85,77.45 154.7,77.45 v1(156.9,75.25)